# KiCad board hdmi-edid-board.kicad_pcb
title: HDMI EDID Board; date: 2025-05-12; rev: 1.0.0; company: Antmicro Ltd; note: www.antmicro.com
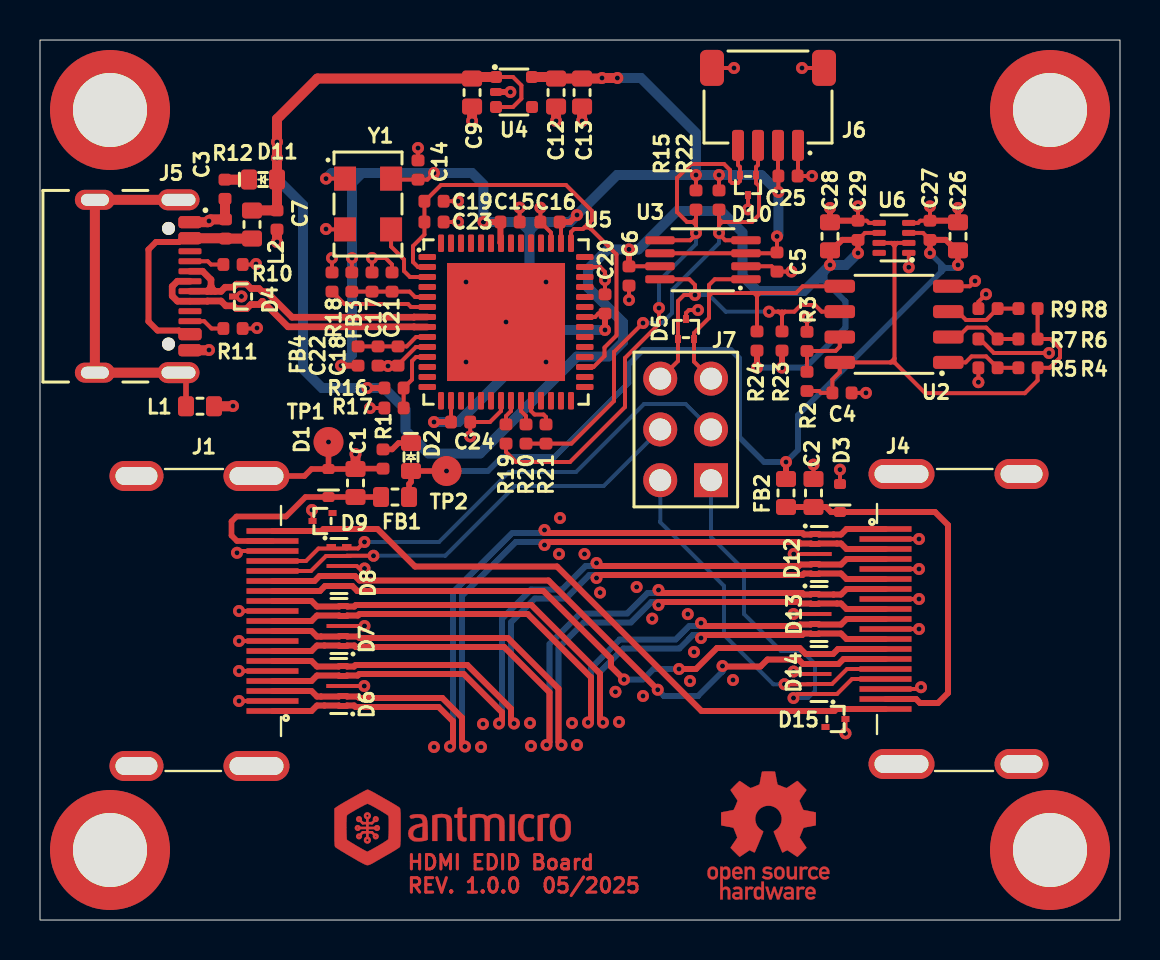
[diagram p0: board, top side]
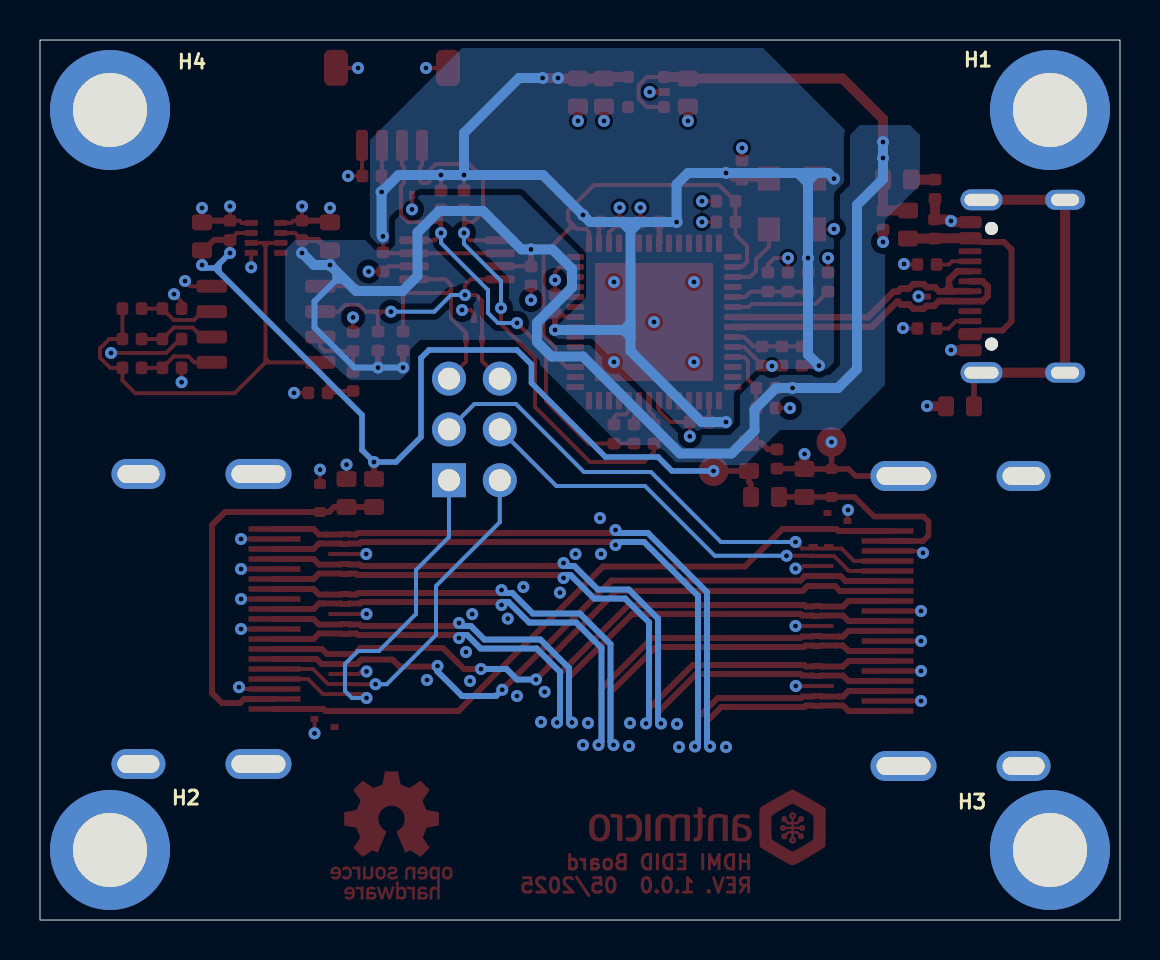
[diagram p1: board, bottom side, seen from below]

Outline 54 x 44 mm; copper layers: Top, In1.Cu (plane), In2.Cu (plane), Bottom. Coordinates in mm from the lower left corner of the outline.
Outline path: rectangle 0,44 54,0
Stack: Top 0.018mm / dielectric 0.18mm PR7628 er 4.06 / dielectric 0.18mm PR7628 er 1 / In1.Cu 0.035mm / dielectric 0.71mm FR-4 er 4.35 / In2.Cu 0.035mm / dielectric 0.18mm PR7628 er 4.06 / dielectric 0.18mm PR7628 er 1 / Bottom 0.018mm

## Placement (name value [footprint] x y rotation side)
C1  C_10u_0603  [C_0603_1608Metric]  15.77 21.85 270 top
C2  C_10u_0603  [C_0603_1608Metric]  38.67 21.35 270 top
C3  C_10n_0402  [C_0402_1005Metric]  9.27 34.55 90 top
C4  C_100n_16V_X7R_0402  [C_0402_1005Metric]  40.1 26.35 180 top
C5  C_100n_16V_X7R_0402  [C_0402_1005Metric]  36.85 32.9 270 top
C6  C_100n_16V_X7R_0402  [C_0402_1005Metric]  29.45 32.2 270 top
C7  C_100n_16V_X7R_0402  [C_0402_1005Metric]  11.85 35 270 top
C9  C_1u_0603  [C_0603_1608Metric]  21.6 41.37 270 top
C12  C_1u_0603  [C_0603_1608Metric]  25.8 41.37 270 top
C13  C_1u_0603  [C_0603_1608Metric]  27.1 41.37 270 top
C14  C_100n_16V_X7R_0402  [C_0402_1005Metric]  18.9 37.5 90 top
C15  C_100n_16V_X7R_0402  [C_0402_1005Metric]  23.5 34.9 0 top
C16  C_100n_16V_X7R_0402  [C_0402_1005Metric]  25.5 34.9 180 top
C17  C_4u7_0402  [C_0402_1005Metric]  16.6 31.9 90 top
C18  C_4u7_0402  [C_0402_1005Metric]  17.9 28.2 90 top
C19  C_100n_16V_X7R_0402  [C_0402_1005Metric]  19.7 35.94 0 top
C20  C_100n_16V_X7R_0402  [C_0402_1005Metric]  28.25 30.8 90 top
C21  C_100n_16V_X7R_0402  [C_0402_1005Metric]  17.6 31.9 90 top
C22  C_100n_16V_X7R_0402  [C_0402_1005Metric]  16.9 28.2 90 top
C23  C_4u7_0402  [C_0402_1005Metric]  19.7 34.9 0 top
C24  C_100n_16V_X7R_0402  [C_0402_1005Metric]  21.03 24.9 0 top
C25  C_100n_16V_X7R_0402  [C_0402_1005Metric]  37.4 37.2 180 top
C26  C_10u_0603  [C_0603_1608Metric]  45.9 34.19 270 top
C27  C_100n_16V_X7R_0402  [C_0402_1005Metric]  44.5 34.48 270 top
C28  C_10u_0603  [C_0603_1608Metric]  39.5 34.18 270 top
C29  C_100n_16V_X7R_0402  [C_0402_1005Metric]  40.9 34.48 270 top
D1  PESD5Z5_0F  [SOD-523]  14.42 21.85 90 top
D2  LED_G_0603_LG_L29K-G2J1-24-Z  [LED_0603_1608Metric_G]  18.55 23.15 270 top
D3  PESD5Z5_0F  [SOD-523]  40 21.1 90 top
D4  TPD2E009_SOT-9X3  [SOT-723]  10.15 31.17 180 top
D5  TPD2E009_SOT-9X3  [SOT-723]  32.3 29.55 90 top
D6  PUSB3F96X_PASS  [Nexperia_DFN-10_2.5x1mm_P0.5mm]  14.94 11.7 90 top
D7  PUSB3F96X_PASS  [Nexperia_DFN-10_2.5x1mm_P0.5mm]  14.95 14.7 90 top
D8  PUSB3F96X_PASS  [Nexperia_DFN-10_2.5x1mm_P0.5mm]  14.95 17.7 270 top
D9  TPD2E009_SOT-9X3  [SOT-723]  14.12 19.95 180 top
D10  TPD2E009_SOT-9X3  [SOT-723]  35.4 36.75 270 top
D11  LED_G_0603_LG_L29K-G2J1-24-Z  [LED_0603_1608Metric_G]  11.15 37.02 0 top
D12  PUSB3F96X_PASS  [Nexperia_DFN-10_2.5x1mm_P0.5mm]  38.96 18.3 270 top
D13  PUSB3F96X_PASS  [Nexperia_DFN-10_2.5x1mm_P0.5mm]  38.95 15.3 270 top
D14  PUSB3F96X_PASS  [Nexperia_DFN-10_2.5x1mm_P0.5mm]  38.95 12.3 90 top
D15  TPD2E009_SOT-9X3  [SOT-723]  39.77 10.05 0 top
FB1  FB_220Z_2.2A_TDK-MPZ_0603  [FB_0603_1608Metric]  17.75 21.15 0 top
FB2  FB_220Z_2.2A_TDK-MPZ_0603  [FB_0603_1608Metric]  37.3 21.35 270 top
FB3  FB_600Z_0.3A_Murata-BLM15AG_0402  [FB_0402_1005Metric]  15.59 31.9 270 top
FB4  FB_600Z_0.3A_Murata-BLM15AG_0402  [FB_0402_1005Metric]  15.9 28.2 90 top
H1  -  [Spacer_Drill3.7mm_H5mm_9774050151R]  3.5 40.5 180 bottom
H2  -  [Spacer_Drill3.7mm_H5mm_9774050151R]  50.5 3.5 180 bottom
H3  -  [Spacer_Drill3.7mm_H5mm_9774050151R]  3.5 3.5 180 bottom
H4  -  [Spacer_Drill3.7mm_H5mm_9774050151R]  50.5 40.5 180 bottom
J1  HDMI-A_WE_685119134923  [HDMI-A_Receptacle_WE_685119134923]  6.4 15 90 top
J4  HDMI-A_WE_685119134923  [HDMI-A_Receptacle_WE_685119134923]  47.5 15 270 top
J5  USB-C_GCT_USB4105-GF-A  [USB-C_Receptacle_GCT_USB4105-GF-A]  4 31.69 270 top
J6  JST_SH_1x4_SM04B-SRSS-TB-LF-SN  [Conn_JST_SH_1x4_SM04B-SRSS-TB-LF-SN]  36.4 40.85 180 top
J7  -  [PinHeader_2x3_P2.54mm_Drill1.1mm]  33.55 21.99 180 top
L1  FB_120Z_2A_Murata-BLM18PG_0603  [FB_0603_1608Metric]  8 25.69 0 top
L2  FB_120Z_2A_Murata-BLM18PG_0603  [FB_0603_1608Metric]  10.6 34.77 270 top
R1  R_560R_0402  [R_0402_1005Metric]  17.15 23.05 90 top
R2  R_10k_0402  [R_0402_1005Metric]  38.35 26.93 270 top  (not fitted)
R3  R_10k_0402  [R_0402_1005Metric]  38.35 28.93 270 top
R4  R_10k_0402  [R_0402_1005Metric]  49.4 27.61 0 top  (not fitted)
R5  R_10k_0402  [R_0402_1005Metric]  47.4 27.61 0 top
R6  R_10k_0402  [R_0402_1005Metric]  49.4 29.05 0 top  (not fitted)
R7  R_10k_0402  [R_0402_1005Metric]  47.4 29.05 0 top
R8  R_10k_0402  [R_0402_1005Metric]  49.4 30.57 0 top  (not fitted)
R9  R_10k_0402  [R_0402_1005Metric]  47.4 30.57 0 top
R10  R_5k1_0402  [R_0402_1005Metric]  9.65 32.77 0 top
R11  R_5k1_0402  [R_0402_1005Metric]  9.65 29.57 0 top
R12  R_560R_0402  [R_0402_1005Metric]  9.25 36.54 270 top
R15  R_4k7_0402  [R_0402_1005Metric]  32.8 36 90 top
R16  R_4k7_0402  [R_0402_1005Metric]  17.7 26.6 180 top
R17  R_10k_0402  [R_0402_1005Metric]  17.7 25.6 0 top
R18  R_12k_0402  [R_0402_1005Metric]  14.6 31.9 90 top
R19  R_0R_0402  [R_0402_1005Metric]  23.3 24.3 270 top
R20  R_0R_0402  [R_0402_1005Metric]  24.3 24.3 270 top
R21  R_0R_0402  [R_0402_1005Metric]  25.3 24.3 270 top
R22  R_4k7_0402  [R_0402_1005Metric]  33.95 36 90 top
R23  R_4k7_0402  [R_0402_1005Metric]  37.1 28.95 270 top
R24  R_4k7_0402  [R_0402_1005Metric]  35.85 28.95 270 top
REF**  LOGO  [antmicro-logo_scaled_12mm]  20.6 4.6 0 top
REF**#2  LOGO  [oshw-logo]  36.42 4.22 0 top
TP1  TP_1.5mm_SMD  [TP_SMD_1.5mm]  14.42 23.9 0 top
TP2  TP_1.5mm_SMD  [TP_SMD_1.5mm]  20.32 22.45 0 top
U2  24AA024T-I/SN  [SOIC-8_3.9x4.9x1.75mm_P1.27mm]  42.7 29.78 180 top  (not fitted)
U3  NTS0102_TSSOP  [TSSOP-8_3x3mm_P0.65mm]  33.15 33 180 top
U4  TLV70033_SC70  [SC-70-5]  23.69 41.39 270 top
U5  FT4232H_VQFN  [QFN-56-1EP_8x8mm_P0.5mm]  23.3 29.9 0 top
U6  TPS2117DRLR  [SOT-583]  42.7 34.1 180 top
Y1  Oscillator_12MHz_ASFLMB  [Oscillator_SMD_Abracon_ASFLMB_5x3.2x0.85mm]  16.3 35.9 0 top

## Library data of the parts
C1 = -: Datasheet: https://www.murata.com/products/productdetail?partno=GRM188R61A106KE69%23; Description: SMD Multilayer Ceramic Capacitor, 10 µF, 10 V, 0603 [1608 Metric], ± 10%, X5R, GRM Series; MPN: GRM188R61A106KE69D; Manufacturer: Murata; License: Apache-2.0; Author: Antmicro; Val: 10u; Dielectric: template_dielectric; Field11: Author: Antmicro; Field12: License: Apache-2.0
C2 = -: Datasheet: https://www.murata.com/products/productdetail?partno=GRM188R61A106KE69%23; Description: SMD Multilayer Ceramic Capacitor, 10 µF, 10 V, 0603 [1608 Metric], ± 10%, X5R, GRM Series; MPN: GRM188R61A106KE69D; Manufacturer: Murata; License: Apache-2.0; Author: Antmicro; Val: 10u; Dielectric: template_dielectric; Field11: License: Apache-2.0; Field12: Author: Antmicro
C3 = -: Datasheet: https://www.murata.com/products/productdetail?partno=GRM155R71H103KA88%23; Manufacturer: Murata; MPN: GRM155R71H103KA88D; Val: 10n; License: Apache-2.0; Author: Antmicro; Voltage: 50V; Dielectric: X7R; Public: False; Field13: Author: Antmicro; Field14: License: Apache-2.0
C4 = -: Datasheet: https://www.kemet.com/en/us/capacitors/product/C0402C104J4RAC7411.html; Description: SMD Multilayer Ceramic Capacitor, 100nF, 50V, 0402, ±5%, X7R; MPN: C0402C104J4RAC7411; Val: 100n; Voltage: 16V; Dielectric: X7R; Manufacturer: KEMET; License: Apache-2.0; Author: Antmicro; Field12: Author: Antmicro; Field13: License: Apache-2.0
C5 C7 C15 C19 C21 C22 = -: Datasheet: https://www.kemet.com/en/us/capacitors/product/C0402C104J4RAC7411.html; Manufacturer: KEMET; MPN: C0402C104J4RAC7411; Val: 100n; License: Apache-2.0; Author: Antmicro; Voltage: 16V; Dielectric: X7R; Field11: Author: Antmicro; Field13: License: Apache-2.0
C6 C16 = -: Datasheet: https://www.kemet.com/en/us/capacitors/product/C0402C104J4RAC7411.html; Manufacturer: KEMET; MPN: C0402C104J4RAC7411; Val: 100n; License: Apache-2.0; Author: Antmicro; Voltage: 16V; Dielectric: X7R; Field11: Author: Antmicro; Field12: License: Apache-2.0
C9 = -: Datasheet: https://spicat.kyocera-avx.com/product/mlcc/chartview/0603YD105KAT2A/; MPN: 0603YD105KAT2A; Manufacturer: KYOCERA AVX; Val: 1u; License: Apache-2.0; Author: Antmicro; Public: False; Field13: Author: Antmicro; Field14: License: Apache-2.0
C12 = -: Datasheet: https://spicat.kyocera-avx.com/product/mlcc/chartview/0603YD105KAT2A/; MPN: 0603YD105KAT2A; Manufacturer: KYOCERA AVX; Val: 1u; License: Apache-2.0; Author: Antmicro; Public: False; Field12: Author: Antmicro; Field13: License: Apache-2.0
C13 = -: Datasheet: https://spicat.kyocera-avx.com/product/mlcc/chartview/0603YD105KAT2A/; MPN: 0603YD105KAT2A; Manufacturer: KYOCERA AVX; Val: 1u; License: Apache-2.0; Author: Antmicro; Public: False; Field13: License: Apache-2.0; Field14: Author: Antmicro
C14 = -: Datasheet: https://www.kemet.com/en/us/capacitors/product/C0402C104J4RAC7411.html; Manufacturer: KEMET; MPN: C0402C104J4RAC7411; Val: 100n; License: Apache-2.0; Author: Antmicro; Voltage: 16V; Dielectric: X7R; Field12: Author: Antmicro; Field13: License: Apache-2.0
C17 = -: Datasheet: https://www.murata.com/products/productdetail?partno=GRM155R61A475MEAA%23; Manufacturer: Murata; MPN: GRM155R61A475MEAAD; Val: 4u7; License: Apache-2.0; Author: Antmicro; Public: False; Field12: Author: Antmicro; Field13: License: Apache-2.0
C18 = -: Datasheet: https://www.murata.com/products/productdetail?partno=GRM155R61A475MEAA%23; Manufacturer: Murata; MPN: GRM155R61A475MEAAD; Val: 4u7; License: Apache-2.0; Author: Antmicro; Public: False; Field12: License: Apache-2.0; Field14: Author: Antmicro
C20 C24 = -: Datasheet: https://www.kemet.com/en/us/capacitors/product/C0402C104J4RAC7411.html; Manufacturer: KEMET; MPN: C0402C104J4RAC7411; Val: 100n; License: Apache-2.0; Author: Antmicro; Voltage: 16V; Dielectric: X7R; Field12: License: Apache-2.0; Field13: Author: Antmicro
C23 = -: Datasheet: https://www.murata.com/products/productdetail?partno=GRM155R61A475MEAA%23; Manufacturer: Murata; MPN: GRM155R61A475MEAAD; Val: 4u7; License: Apache-2.0; Author: Antmicro; Public: False; Field13: License: Apache-2.0; Field14: Author: Antmicro
C25 = -: Datasheet: https://www.kemet.com/en/us/capacitors/product/C0402C104J4RAC7411.html; Description: SMD Multilayer Ceramic Capacitor, 100nF, 50V, 0402, ±5%, X7R; MPN: C0402C104J4RAC7411; Val: 100n; Voltage: 16V; Dielectric: X7R; Manufacturer: KEMET; License: Apache-2.0; Author: Antmicro; Field11: Author: Antmicro; Field13: License: Apache-2.0
C26 C28 = -: Datasheet: https://www.murata.com/products/productdetail?partno=GRM188R61A106KE69%23; Description: SMD Multilayer Ceramic Capacitor, 10 µF, 10 V, 0603 [1608 Metric], ± 10%, X5R, GRM Series; MPN: GRM188R61A106KE69D; Manufacturer: Murata; License: Apache-2.0; Author: Antmicro; Val: 10u; Dielectric: template_dielectric; Field12: Author: Antmicro; Field13: License: Apache-2.0
C27 = -: Datasheet: https://www.kemet.com/en/us/capacitors/product/C0402C104J4RAC7411.html; Description: SMD Multilayer Ceramic Capacitor, 100nF, 50V, 0402, ±5%, X7R; MPN: C0402C104J4RAC7411; Val: 100n; Voltage: 16V; Dielectric: X7R; Manufacturer: KEMET; License: Apache-2.0; Author: Antmicro; Field11: License: Apache-2.0; Field13: Author: Antmicro
C29 = -: Datasheet: https://www.kemet.com/en/us/capacitors/product/C0402C104J4RAC7411.html; Description: SMD Multilayer Ceramic Capacitor, 100nF, 50V, 0402, ±5%, X7R; MPN: C0402C104J4RAC7411; Val: 100n; Voltage: 16V; Dielectric: X7R; Manufacturer: KEMET; License: Apache-2.0; Author: Antmicro; Field12: License: Apache-2.0; Field13: Author: Antmicro
D1 D3 = -: Datasheet: https://assets.nexperia.com/documents/data-sheet/PESD5Z5_0.pdf; Description: Unidirectional TVS, 30 kV,  SOD-523, 5 V, 89 pF; Manufacturer: Nexperia; MPN: PESD5Z5.0F; Author: Antmicro; License: Apache-2.0; Field8: Author: Antmicro; Field10: License: Apache-2.0
D2 = -: Datasheet: https://look.ams-osram.com/m/19ee86b3ae0ee95b/original/LG-L29K.pdf; MPN: LG L29K-G2J1-24-Z; Manufacturer: OSRAM; Author: Antmicro; License: Apache-2.0; Color: Green; Public: False; Field10: Author: Antmicro; Field11: License: Apache-2.0
D4 = -: Datasheet: https://www.ti.com/lit/ds/symlink/tpd2e009.pdf?ts=1597910439511&ref_url=https%253A%252F%252Fwww.google.com%252F; MPN: TPD2E009DRTR; Manufacturer: Texas Instruments; Author: Antmicro; License: Apache-2.0; Field8: Author: Antmicro; Field9: License: Apache-2.0
D5 = -: Datasheet: https://www.ti.com/lit/ds/symlink/tpd2e009.pdf?ts=1597910439511&ref_url=https%253A%252F%252Fwww.google.com%252F; MPN: TPD2E009DRTR; Manufacturer: Texas Instruments; Author: Antmicro; License: Apache-2.0; Field9: Author: Antmicro; Field10: License: Apache-2.0
D6 D13 = -: Datasheet: https://mouser.com/datasheet/2/916/PUSB3F96-1600324.pdf; Description: TVS diode array, 10 kV, DFN-2510, 5.5 V, 0.5 pF; Manufacturer: Nexperia; MPN: PUSB3F96X; Author: Antmicro; License: Apache-2.0; Field8: License: Apache-2.0; Field9: Author: Antmicro
D7 = -: Datasheet: https://mouser.com/datasheet/2/916/PUSB3F96-1600324.pdf; Description: TVS diode array, 10 kV, DFN-2510, 5.5 V, 0.5 pF; Manufacturer: Nexperia; MPN: PUSB3F96X; Author: Antmicro; License: Apache-2.0; Field8: Author: Antmicro; Field9: License: Apache-2.0
D8 D12 = -: Datasheet: https://mouser.com/datasheet/2/916/PUSB3F96-1600324.pdf; Description: TVS diode array, 10 kV, DFN-2510, 5.5 V, 0.5 pF; Manufacturer: Nexperia; MPN: PUSB3F96X; Author: Antmicro; License: Apache-2.0; Field9: License: Apache-2.0; Field10: Author: Antmicro
D9 = -: Datasheet: https://www.ti.com/lit/ds/symlink/tpd2e009.pdf?ts=1597910439511&ref_url=https%253A%252F%252Fwww.google.com%252F; MPN: TPD2E009DRTR; Manufacturer: Texas Instruments; Author: Antmicro; License: Apache-2.0; Field8: Author: Antmicro; Field10: License: Apache-2.0
D10 D15 = -: Datasheet: https://www.ti.com/lit/ds/symlink/tpd2e009.pdf?ts=1597910439511&ref_url=https%253A%252F%252Fwww.google.com%252F; MPN: TPD2E009DRTR; Manufacturer: Texas Instruments; Author: Antmicro; License: Apache-2.0; Field9: License: Apache-2.0; Field10: Author: Antmicro
D11 = -: Datasheet: https://look.ams-osram.com/m/19ee86b3ae0ee95b/original/LG-L29K.pdf; Description: LED, Green, SMD, 0603, 20 mA, 1.7 V, 570 nm; MPN: LG L29K-G2J1-24-Z; Manufacturer: OSRAM; Author: Antmicro; License: Apache-2.0; Color: Green; Public: False; Field11: Author: Antmicro; Field12: License: Apache-2.0
D14 = -: Datasheet: https://mouser.com/datasheet/2/916/PUSB3F96-1600324.pdf; Description: TVS diode array, 10 kV, DFN-2510, 5.5 V, 0.5 pF; Manufacturer: Nexperia; MPN: PUSB3F96X; Author: Antmicro; License: Apache-2.0; Field8: License: Apache-2.0; Field10: Author: Antmicro
FB1 = -: Datasheet: https://product.tdk.com/info/en/catalog/datasheets/beads_commercial_power_mpz1608_en.pdf; Description: Ferrite Bead, 0603 [1608 Metric], 220 ohm, 2.2 A, MPZ, 0.05 ohm, ± 25%, DC power line; Val: 220Z/2.2A; MPN: MPZ1608S221ATA00; Manufacturer: TDK; Author: Antmicro; License: Apache-2.0; Field10: License: Apache-2.0; Field11: Author: Antmicro
FB2 = -: Datasheet: https://product.tdk.com/info/en/catalog/datasheets/beads_commercial_power_mpz1608_en.pdf; Description: Ferrite Bead, 0603 [1608 Metric], 220 ohm, 2.2 A, MPZ, 0.05 ohm, ± 25%, DC power line; Val: 220Z/2.2A; MPN: MPZ1608S221ATA00; Manufacturer: TDK; Author: Antmicro; License: Apache-2.0; Field10: Author: Antmicro; Field12: License: Apache-2.0
FB3 = -: Datasheet: https://www.murata.com/en-us/products/productdata/8796740059166/ENFA0018.pdf; MPN: BLM15AG601SN1D; Manufacturer: Murata; Author: Antmicro; License: Apache-2.0; Val: 600Z/0.3A; Public: False; Field11: License: Apache-2.0; Field12: Author: Antmicro
FB4 = -: Datasheet: https://www.murata.com/en-us/products/productdata/8796740059166/ENFA0018.pdf; MPN: BLM15AG601SN1D; Manufacturer: Murata; Author: Antmicro; License: Apache-2.0; Val: 600Z/0.3A; Public: False; Field12: Author: Antmicro; Field13: License: Apache-2.0
H1 = -: Datasheet: https://www.we-online.com/catalog/datasheet/9774050151.pdf; Description: Spacer, SMT, Non Stop, Steel, Swage Round, 5.1 mm x 5 mm, M2.5 Thread, WA-SMSI Series; Manufacturer: Würth Elektronik; MPN: 9774050151R; Author: Antmicro; License: Apache-2.0; Field8: License: Apache-2.0; Field10: Author: Antmicro
H2 = -: Datasheet: https://www.we-online.com/catalog/datasheet/9774050151.pdf; Description: Spacer, SMT, Non Stop, Steel, Swage Round, 5.1 mm x 5 mm, M2.5 Thread, WA-SMSI Series; Manufacturer: Würth Elektronik; MPN: 9774050151R; Author: Antmicro; License: Apache-2.0; Field8: Author: Antmicro; Field10: License: Apache-2.0
H3 = -: Datasheet: https://www.we-online.com/catalog/datasheet/9774050151.pdf; Description: Spacer, SMT, Non Stop, Steel, Swage Round, 5.1 mm x 5 mm, M2.5 Thread, WA-SMSI Series; Manufacturer: Würth Elektronik; MPN: 9774050151R; Author: Antmicro; License: Apache-2.0; Field8: Author: Antmicro; Field9: License: Apache-2.0
H4 = -: Datasheet: https://www.we-online.com/catalog/datasheet/9774050151.pdf; Description: Spacer, SMT, Non Stop, Steel, Swage Round, 5.1 mm x 5 mm, M2.5 Thread, WA-SMSI Series; Manufacturer: Würth Elektronik; MPN: 9774050151R; Author: Antmicro; License: Apache-2.0; Field8: License: Apache-2.0; Field9: Author: Antmicro
J1 = -: Datasheet: https://www.we-online.com/components/products/datasheet/685119134923.pdf; Description: HDMI Receptacle Connector 19 Position Surface Mount, Right Angle; Through Hole; MPN: 685119134923; Manufacturer: Würth Elektronik; Author: Antmicro; License: Apache-2.0; Field10: License: Apache-2.0; Field11: Author: Antmicro; ki_fp_filters: 685119134923
J4 = -: Datasheet: https://www.we-online.com/components/products/datasheet/685119134923.pdf; Description: HDMI Receptacle Connector 19 Position Surface Mount, Right Angle; Through Hole; MPN: 685119134923; Manufacturer: Würth Elektronik; Author: Antmicro; License: Apache-2.0; Field9: Author: Antmicro; Field10: License: Apache-2.0; ki_fp_filters: 685119134923
J5 = -: Datasheet: https://gct.co/files/drawings/usb4105.pdf; Manufacturer: GCT; MPN: USB4105-GF-A; Author: Antmicro; License: Apache-2.0; VSD_Class: USB-C; Field10: PCB-EDGE; Field11: License: Apache-2.0; Field12: Author: Antmicro
J6 = -: Datasheet: https://www.jst-mfg.com/product/pdf/eng/eSH.pdf; Description: Pin Header, Right Angle, Wire-to-Board, 1 mm, 1 Rows, 4 Contacts, Surface Mount Right Angle, SH; MPN: SM04B-SRSS-TB(LF)(SN); Manufacturer: JST Automotive Connectors; Author: Antmicro; License: Apache-2.0; Field9: Author: Antmicro; Field10: License: Apache-2.0
J7 = -: Datasheet: https://www.mouser.com/datasheet/2/445/61300621121-3087632.pdf; Description: Rectangular connector, header; Manufacturer: Würth Elektronik; MPN: 61300621121; Author: Antmicro; License: Apache-2.0; Field8: License: Apache-2.0; Field9: Author: Antmicro
L1 = -: Datasheet: https://www.murata.com/en-us/products/productdata/8796738650142/ENFA0003.pdf; MPN: BLM18PG121SN1D; Manufacturer: Murata; Author: Antmicro; License: Apache-2.0; Val: 120Z/2A; Public: False; Field11: Author: Antmicro; Field12: License: Apache-2.0
L2 = -: Datasheet: https://www.murata.com/en-us/products/productdata/8796738650142/ENFA0003.pdf; MPN: BLM18PG121SN1D; Manufacturer: Murata; Author: Antmicro; License: Apache-2.0; Val: 120Z/2A; Public: False; Field12: Author: Antmicro; Field13: License: Apache-2.0
R1 = -: Datasheet: https://www.bourns.com/docs/product-datasheets/cr.pdf; Description: SMD Chip Resistor, 560 ohm, ± 1%, 100 mW, 0402 [1005 Metric], Thick Film, Precision; MPN: CR0402-FX-5600GLF; Manufacturer: Bourns; License: Apache-2.0; Author: Antmicro; Val: 560R; Tolerance: 1%; Field11: License: Apache-2.0; Field12: Author: Antmicro
R2 R6 R8 = -: Datasheet: https://www.bourns.com/docs/product-datasheets/cr.pdf; Description: SMD Chip Resistor, 10 kohm, ± 1%, 62.5 mW, 0402 [1005 Metric], Thick Film, General Purpose; MPN: CR0402-FX-1002GLF; Manufacturer: Bourns; License: Apache-2.0; Author: Antmicro; Val: 10k; Tolerance: 1%; Field10: Author: Antmicro; Field12: License: Apache-2.0
R3 = -: Datasheet: https://www.bourns.com/docs/product-datasheets/cr.pdf; Description: SMD Chip Resistor, 10 kohm, ± 1%, 62.5 mW, 0402 [1005 Metric], Thick Film, General Purpose; MPN: CR0402-FX-1002GLF; Manufacturer: Bourns; License: Apache-2.0; Author: Antmicro; Val: 10k; Tolerance: 1%; Field11: Author: Antmicro; Field12: License: Apache-2.0
R4 = -: Datasheet: https://www.bourns.com/docs/product-datasheets/cr.pdf; Description: SMD Chip Resistor, 10 kohm, ± 1%, 62.5 mW, 0402 [1005 Metric], Thick Film, General Purpose; MPN: CR0402-FX-1002GLF; Manufacturer: Bourns; License: Apache-2.0; Author: Antmicro; Val: 10k; Tolerance: 1%; Field10: License: Apache-2.0; Field12: Author: Antmicro
R5 R7 = -: Datasheet: https://www.bourns.com/docs/product-datasheets/cr.pdf; Description: SMD Chip Resistor, 10 kohm, ± 1%, 62.5 mW, 0402 [1005 Metric], Thick Film, General Purpose; MPN: CR0402-FX-1002GLF; Manufacturer: Bourns; License: Apache-2.0; Author: Antmicro; Val: 10k; Tolerance: 1%; Field11: License: Apache-2.0; Field12: Author: Antmicro
R9 = -: Datasheet: https://www.bourns.com/docs/product-datasheets/cr.pdf; Description: SMD Chip Resistor, 10 kohm, ± 1%, 62.5 mW, 0402 [1005 Metric], Thick Film, General Purpose; MPN: CR0402-FX-1002GLF; Manufacturer: Bourns; License: Apache-2.0; Author: Antmicro; Val: 10k; Tolerance: 1%; Field10: Author: Antmicro; Field11: License: Apache-2.0
R10 = -: Datasheet: https://www.bourns.com/docs/product-datasheets/cr.pdf; MPN: CR0402-FX-5101GLF; Manufacturer: Bourns; License: Apache-2.0; Author: Antmicro; Val: 5k1; Tolerance: 1%; Public: False; Field11: Author: Antmicro; Field12: License: Apache-2.0
R11 = -: Datasheet: https://www.bourns.com/docs/product-datasheets/cr.pdf; MPN: CR0402-FX-5101GLF; Manufacturer: Bourns; License: Apache-2.0; Author: Antmicro; Val: 5k1; Tolerance: 1%; Public: False; Field12: License: Apache-2.0; Field13: Author: Antmicro
R12 = -: Datasheet: https://www.bourns.com/docs/product-datasheets/cr.pdf; Description: SMD Chip Resistor, 560 ohm, ± 1%, 100 mW, 0402 [1005 Metric], Thick Film, Precision; MPN: CR0402-FX-5600GLF; Manufacturer: Bourns; License: Apache-2.0; Author: Antmicro; Val: 560R; Tolerance: 1%; Field10: Author: Antmicro; Field12: License: Apache-2.0
R15 = -: Datasheet: https://www.bourns.com/docs/product-datasheets/cr.pdf; Description: SMD Chip Resistor, 4.7 kohm, ± 1%, 62.5 mW, 0402 [1005 Metric], Thick Film, General Purpose; Manufacturer: Bourns; MPN: CR0402-FX-4701GLF; Val: 4k7; License: Apache-2.0; Author: Antmicro; Tolerance: 1%; Field10: Author: Antmicro; Field11: License: Apache-2.0
R16 = -: Datasheet: https://www.bourns.com/docs/product-datasheets/cr.pdf; Manufacturer: Bourns; MPN: CR0402-FX-4701GLF; Val: 4k7; License: Apache-2.0; Author: Antmicro; Tolerance: 1%; Public: False; Field11: Author: Antmicro; Field13: License: Apache-2.0
R17 = -: Datasheet: https://www.bourns.com/docs/product-datasheets/cr.pdf; Manufacturer: Bourns; MPN: CR0402-FX-1002GLF; Val: 10k; License: Apache-2.0; Author: Antmicro; Tolerance: 1%; Public: False; Field11: Author: Antmicro; Field13: License: Apache-2.0